# Altium PCB PICO_Probe_v_2_1.PcbDoc
Units mm, origin at the board's own origin, x right, y up, seen from the top; angles counter-clockwise.
Board outline 62.1 x 54.1 mm, 2 copper layers (Top Layer, Bottom Layer); 35 components, 35 nets, 182 pads, 0 vias.
Unrouted connection lines stored in the file: 2.
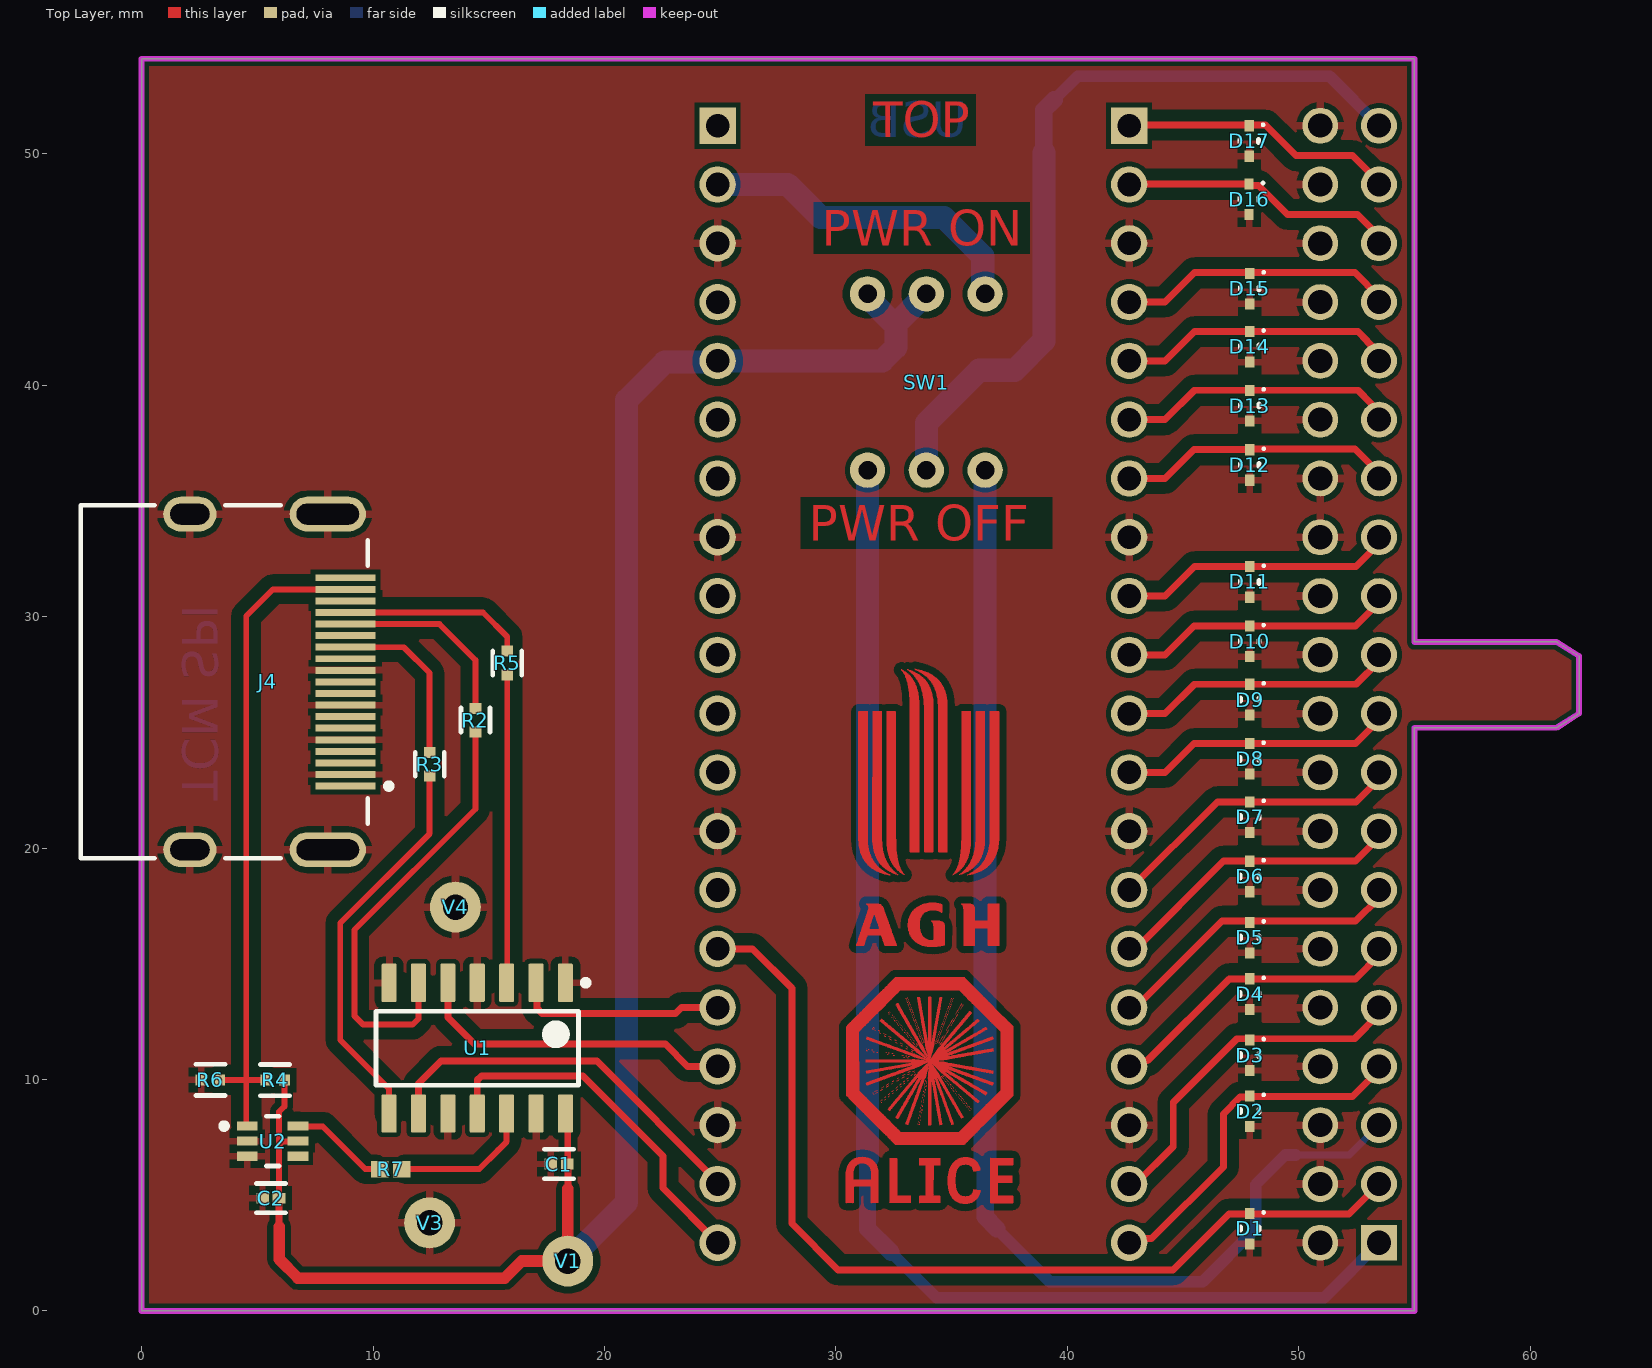
[diagram p0: Top Layer view]
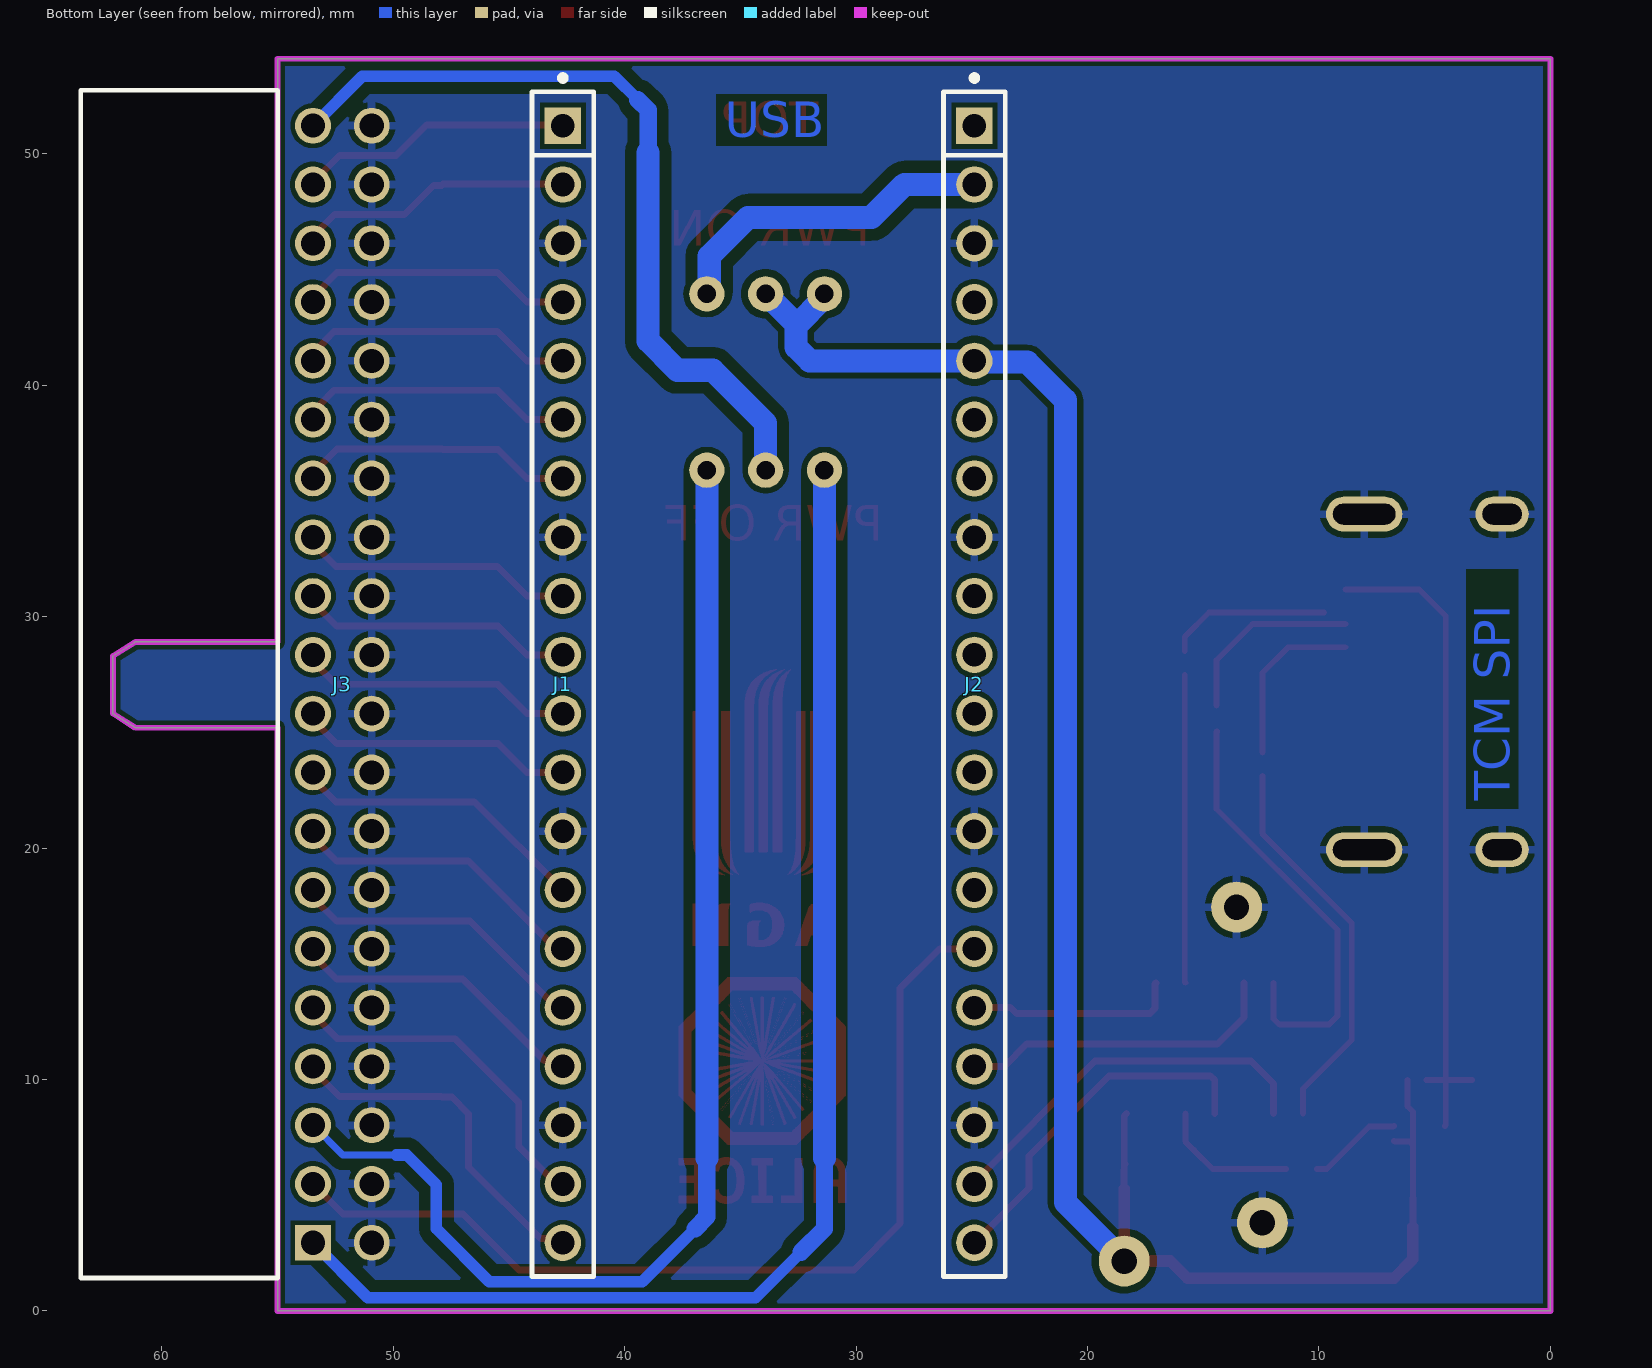
[diagram p1: Bottom Layer view, seen from below]
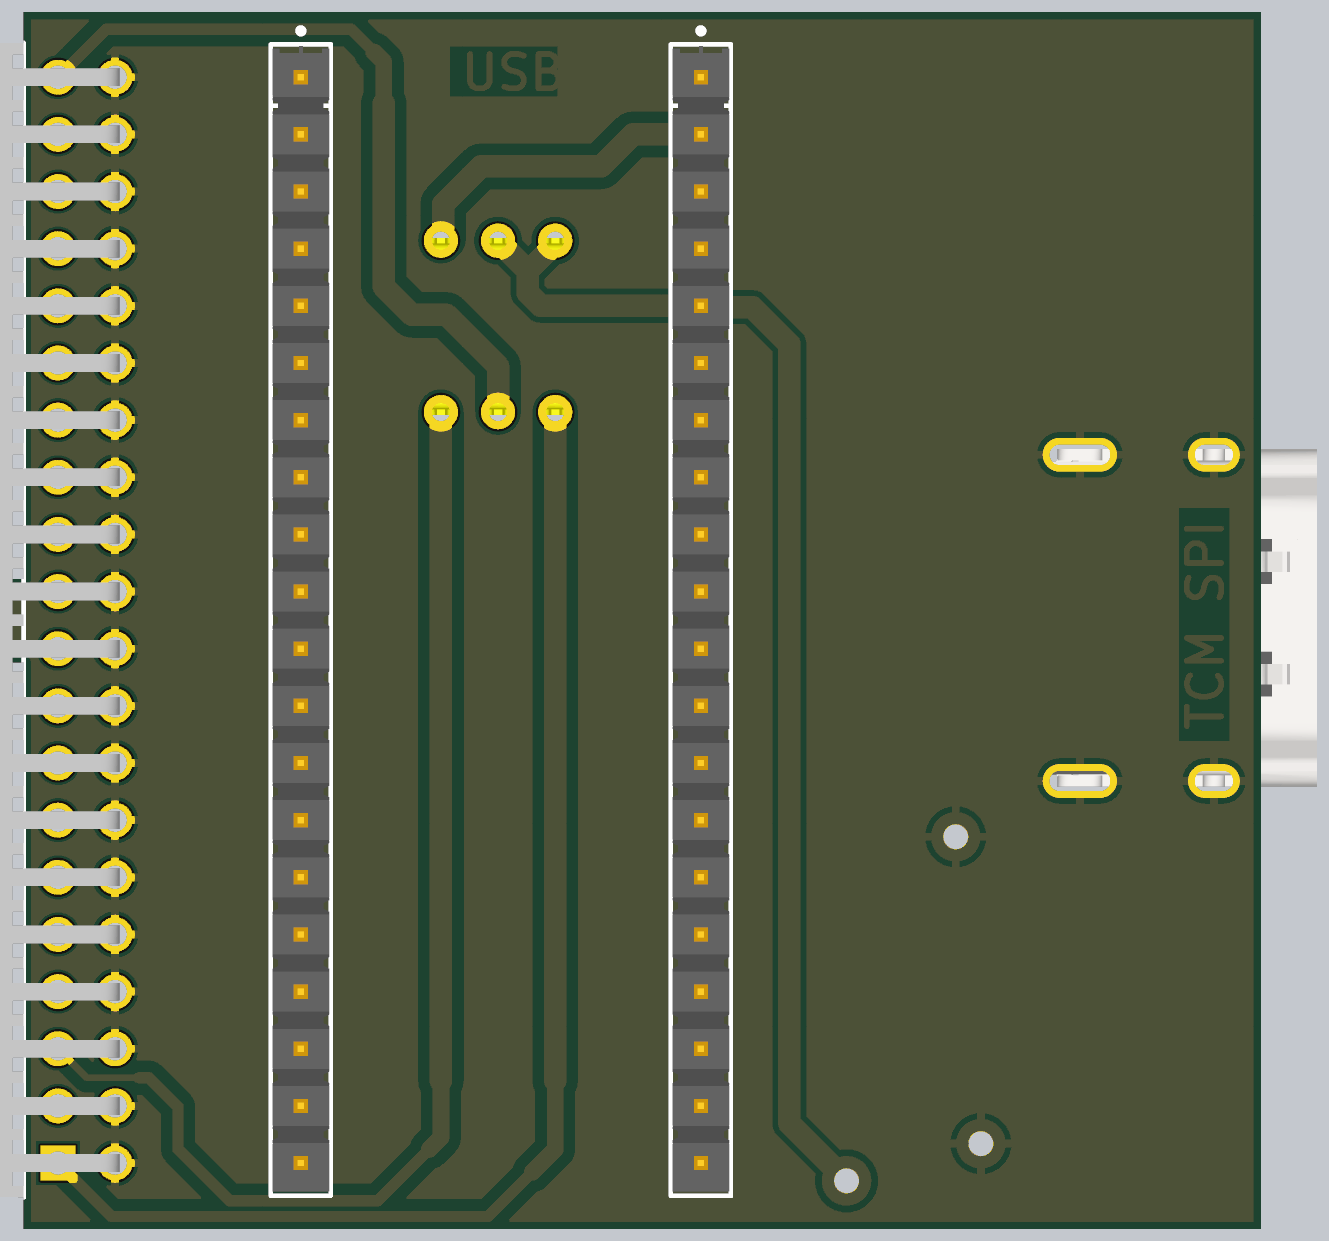
[diagram p2: 3D render of the assembled board from below, using the file's embedded part models]

## Layer stack, top to bottom
Top Solder: solder mask 0.0102, Solder Resist, Dk 3.5
Top Layer: signal copper 0.0356
Dielectric 1: dielectric 0.32, FR-4, Dk 4.8
Bottom Layer: signal copper 0.0356
Bottom Solder: solder mask 0.0102, Solder Resist, Dk 3.5

## Board outline
0,0 0,54.102 54.991,54.102 54.991,28.905 61.138,28.905 62.103,28.296 62.103,25.806 61.138,25.197 54.991,25.197 54.991,0

## Design rules (kind name [scope] priority, off if disabled: settings)
Clearance Keep_Out_Clearance [OnLayer('Keep-Out Layer')] p1: gap=0.2 ignorepadtopadclearanceinfootprint=FALSE
Clearance VCC_VIA_Clearance [InNet('3v3')] p2: gap=0.1 ignorepadtopadclearanceinfootprint=FALSE except(0.254: Arc-Fill Arc-Poly Arc-Region Track-Fill Track-Poly Track-Region; 0.3: SMDPad-Fill SMDPad-Poly SMDPad-Region THPad-Fill THPad-Poly THPad-Region Fill-Fill Fill-Poly Fill-Region Poly-Poly Poly-Region Region-Region; 0.35: Via-Fill Via-Poly Via-Region)
Clearance GND_VIA_Clearance [InNet('GND')] p3: gap=0.1 ignorepadtopadclearanceinfootprint=FALSE except(0.2: SMDPad-Fill SMDPad-Poly SMDPad-Region THPad-Fill THPad-Poly THPad-Region; 0.3: Fill-Fill Fill-Poly Fill-Region Poly-Poly Poly-Region Region-Region; 0.508: Arc-Fill Arc-Poly Arc-Region Track-Fill Track-Poly Track-Region)
Clearance [All] p4: gap=0.1 ignorepadtopadclearanceinfootprint=FALSE except(0.254: Arc-Fill Arc-Poly Arc-Region Track-Fill Track-Poly Track-Region SMDPad-Fill SMDPad-Poly SMDPad-Region THPad-Fill THPad-Poly THPad-Region Via-Fill Via-Poly Via-Region Fill-Fill Fill-Poly Fill-Region Poly-Poly Poly-Region Region-Region)
ComponentClearance [All] p1 off: gap=0.254 collisioncheckmode=3 verticalgap=0.254 showdistances=FALSE
MinimumSolderMaskSliver [All] p1: minsoldermaskwidth=0.1
PlaneConnect VCC_PLANE [InNet('3v3')] p1: pad.planeconnectstyle=Relief pad.reliefexpansion=0.508 pad.reliefentries=4 pad.reliefconductorwidth=0.3 pad.reliefairgap=0.254 via.planeconnectstyle=Relief via.reliefexpansion=0.508 via.reliefentries=4 via.reliefconductorwidth=0.254 via.reliefairgap=0.254
PlaneConnect GND_PLANE [InNet('GND')] p2: planeconnectstyle=Relief reliefexpansion=0.508 reliefentries=4 reliefconductorwidth=0.3 reliefairgap=0.254
PlaneConnect [All] p3: planeconnectstyle=Relief reliefexpansion=0.508 reliefentries=4 reliefconductorwidth=0.3 reliefairgap=0.254
PolygonConnect VCC_Polygon_Style [InNet('3v3')] p1: connectstyle=Relief reliefconductorwidth=0.35 reliefentries=4 polygonreliefangle="90 Angle" airgapwidth=0.254
PolygonConnect GND_Polygon_Style [InNet('GND')] p2: thpad.connectstyle=Relief thpad.reliefconductorwidth=0.35 thpad.reliefentries=4 thpad.polygonreliefangle="90 Angle" thpad.airgapwidth=0.254 smdpad.connectstyle=Relief smdpad.reliefconductorwidth=0.3 smdpad.reliefentries=4 smdpad.polygonreliefangle="90 Angle" smdpad.airgapwidth=0.3 via.connectstyle=Relief via.reliefconductorwidth=0.35 via.reliefentries=4 via.polygonreliefangle="90 Angle" via.airgapwidth=0.254
PolygonConnect [All] p3: connectstyle=Relief reliefconductorwidth=0.254 reliefentries=4 polygonreliefangle="90 Angle" airgapwidth=0.254
RoutingVias [All] p1: holewidth=0.711 width=1.27 viastyle="Through Hole" minholewidth=0.711 minwidth=1.27 maxholewidth=0.711 maxwidth=1.27
SolderMaskExpansion [All] p1: expansion=0.102 istentingtop=FALSE
SupplyNets "Schematic Supply Nets_3" [InNet('V_SYS')] p1: voltage=0.000
SupplyNets "Schematic Supply Nets_2" [InNet('3v3')] p2: voltage=0.000
SupplyNets "Schematic Supply Nets_1" [InNet('GND')] p3: voltage=0.000
Width [All] p1: maxlimit=1 minlimit=0.1 preferedwidth=0.254
27 further rules are at their usual default settings.

## Components (designator, comment, footprint, x,y, rotation, side; value= is the part's Value field where it differs from the comment)
C1 "GRM033Z71C104KE14J" FP-GRM033-0_03-IPC_A 18.034,6.35 r180 top value=100nF
C2 "GRM033Z71C104KE14J" FP-GRM033-0_03-IPC_A 5.588,4.877 r180 top value=100nF
D1 "MM5Z3V6T1G" ONSC-SOD-523-2-502-01_V 47.879,3.556 r270 top
D2 "MM5Z3V6T1G" ONSC-SOD-523-2-502-01_V 47.879,8.636 r270 top
D3 "MM5Z3V6T1G" ONSC-SOD-523-2-502-01_V 47.879,11.049 r270 top
D4 "MM5Z3V6T1G" ONSC-SOD-523-2-502-01_V 47.875,13.692 r270 top
D5 "MM5Z3V6T1G" ONSC-SOD-523-2-502-01_V 47.879,16.129 r270 top
D6 "MM5Z3V6T1G" ONSC-SOD-523-2-502-01_V 47.875,18.772 r270 top
D7 "MM5Z3V6T1G" ONSC-SOD-523-2-502-01_V 47.879,21.336 r270 top
D8 "MM5Z3V6T1G" ONSC-SOD-523-2-502-01_V 47.875,23.853 r270 top
D9 "MM5Z3V6T1G" ONSC-SOD-523-2-502-01_V 47.879,26.416 r270 top
D10 "MM5Z3V6T1G" ONSC-SOD-523-2-502-01_V 47.875,28.933 r270 top
D11 "MM5Z3V6T1G" ONSC-SOD-523-2-502-01_V 47.879,31.496 r270 top
D12 "MM5Z3V6T1G" ONSC-SOD-523-2-502-01_V 47.879,36.55 r270 top
D13 "MM5Z3V6T1G" ONSC-SOD-523-2-502-01_V 47.879,39.116 r270 top
D14 "MM5Z3V6T1G" ONSC-SOD-523-2-502-01_V 47.875,41.658 r270 top
D15 "MM5Z3V6T1G" ONSC-SOD-523-2-502-01_V 47.879,44.17 r270 top
D16 "MM5Z3V6T1G" ONSC-SOD-523-2-502-01_V 47.85,48.033 r270 top
D17 "MM5Z3V6T1G" ONSC-SOD-523-2-502-01_V 47.854,50.546 r270 top
J1 "TSW-120-05-G-S" FP-TSW-120-05-G-S-MFG 42.668,27.078 r270 bottom
J2 "TSW-120-05-G-S" FP-TSW-120-05-G-S-MFG 24.888,27.078 r270 bottom
J3 "SSW-120-02-G-D-RA" SMTC-SSW-120-02-X-D-RA 53.463,2.948 r90 bottom
J4 "208658-1051" FP-208658-1051-MFG 3.572,27.178 r270 top
R2 "ERJ-2RKF30R0X" FP-ERJ2RK-MFG 14.427,25.527 r90 top
R3 "ERJ-2RKF30R0X" FP-ERJ2RK-MFG 12.446,23.622 r90 top
R4 "CRCW0402200RFKED" FP-CRCW0402-e3-IPC_C 5.768,9.975 r0 top
R5 "ERJ-2RKF30R0X" FP-ERJ2RK-MFG 15.799,27.991 r90 top
R6 "CRCW0402200RFKED" FP-CRCW0402-e3-IPC_C 2.976,9.982 r0 top
R7 "CR0402-FX-22R0GLF" RESC1005X40X25ML10T10 10.77,6.121 r0 top value=22R
SW1 "DIP_SWITCH_3x1" DIP_SWITCH_3x1 33.905,40.134 r270 top
U1 "SN74LVT125D" D0014A_M 14.503,11.354 r270 top
U2 "SN74LVC2G14IDCKRQ1" FP-DCK0006A-MFG 5.664,7.341 r0 top
V1 "Copper_Via_09" Copper_Via_09 18.415,2.159 r0 top
V3 "Copper_Via_09" Copper_Via_09 12.446,3.81 r0 top
V4 "Copper_Via_09" Copper_Via_09 13.564,17.45 r0 top

## Footprints (in the part's own frame and the unit in brackets; to place one, negate y for a bottom-side part, rotate by r counter-clockwise, add the part's x,y. Pads: shape width x height; smd on the part's side, far side on the other; paste and mask are expansions set on the pad)
Copper_Via_09 [mm] "Copper Via, 0.9mm hole"
  round 2.2 / inner round 1.524 / far side round 2.2 hole 1.1 mask+0.102: 1(0,0)
D0014A_M [mm] "SOIC, 14-Leads, Body 8.75x4mm, Pitch 1.27mm, IPC Low Density"
  rrect15% 1.65x0.65 smd: 1(-2.825,3.81) 2(-2.825,2.54) 3(-2.825,1.27) 4(-2.825,0) 5(-2.825,-1.27) 6(-2.825,-2.54) 7(-2.825,-3.81) 8(2.825,-3.81) 9(2.825,-2.54) 10(2.825,-1.27) 11(2.825,0) 12(2.825,1.27) 13(2.825,2.54) 14(2.825,3.81)
  silkscreen extent -2.95,-4.38 1.6,4.81, body extent -3.02,-4.32 3.02,4.32, height 1.59
DIP_SWITCH_3x1 [mil]
  round 60 hole 31.5: 1(-150,100) 2(-150,0) 3(-150,-100) 4(150,-100) 5(150,0) 6(150,100)
  body extent -155,-170 155,169, height 163
FP-208658-1051-MFG [mm]
  rect 0.3x2.6 smd paste+0 mask+0: 1(4.5,5.235) 2(4,5.235) 3(3.5,5.235) 4(3,5.235) 5(2.5,5.235) 6(2,5.235) 7(1.5,5.235) 8(1,5.235) 9(0.5,5.235) 10(0,5.235) 11(-0.5,5.235) 12(-1,5.235) 13(-1.5,5.235) 14(-2,5.235) 15(-2.5,5.235) 16(-3,5.235) 17(-3.5,5.235) 18(-4,5.235) 19(-4.5,5.235)
  rrect100% 1.5x3.3 hole 2.7 slot 0.9 at 0 deg paste-2539.97 mask+0: 20(-7.25,4.475) 21(7.25,4.475)
  rrect100% 1.5x2.3 hole 1.7 slot 0.9 at 0 deg paste-2539.97 mask+0: 22(-7.25,-1.485) 23(7.25,-1.485)
  silkscreen extent -7.63,-6.2 7.63,7.24, body extent -8.1,-6.3 8.1,6.64, height 0.25
FP-CRCW0402-e3-IPC_C [mm]
  rect 0.468x0.472 smd paste+0 mask+0: 1(-0.402,0) 2(0.402,0)
  silkscreen extent -0.64,-0.67 0.64,0.67, body extent -0.74,-0.38 0.74,0.38, height 0.25
FP-DCK0006A-MFG [mm]
  rect 0.9x0.4 smd paste-1000 mask+0: 1(-1.1,0.65) 2(-1.1,0) 3(-1.1,-0.65) 4(1.1,-0.65) 5(1.1,0) 6(1.1,0.65)
  silkscreen extent -2.22,-1.07 0.27,1.07, body extent -1.65,-1.33 1.65,1.33, height 0.25
FP-ERJ2RK-MFG [mm]
  rect 0.475x0.5 smd paste+0 mask+0: 1(-0.513,0) 2(0.513,0)
  silkscreen extent -0.53,-0.63 0.53,0.63, body extent -0.85,-0.38 0.85,0.38, height 0.25
FP-GRM033-0_03-IPC_A [mm]
  rect 0.554x0.463 smd paste+0 mask+0: 1(-0.354,0) 2(0.354,0)
  silkscreen extent -0.63,-0.63 0.63,0.63, body extent -0.83,-0.43 0.83,0.43, height 0.25
FP-TSW-120-05-G-S-MFG [mm]
  rect 1.57x1.57 hole 1.02 paste-2539.97 mask+0: 1(-24.13,0)
  round 1.57 hole 1.02 paste-2539.97 mask+0: 2(-21.59,0) 3(-19.05,0) 4(-16.51,0) 5(-13.97,0) 6(-11.43,0) 7(-8.89,0) 8(-6.35,0) 9(-3.81,0) 10(-1.27,0) 11(1.27,0) 12(3.81,0) 13(6.35,0) 14(8.89,0) 15(11.43,0) 16(13.97,0) 17(16.51,0) 18(19.05,0) 19(21.59,0) 20(24.13,0)
  silkscreen extent -26.31,-1.34 25.59,1.34, body extent -25.53,-1.27 25.4,1.27, height 5.54
ONSC-SOD-523-2-502-01_V [mm] "SOD, 2-Leads, Body 1.2x0.8mm"
  rect 0.48x0.4 smd: 1(-0.66,0) 2(0.66,0)
  silkscreen extent -0.75,-0.4 0.07,0.65, body extent -0.6,-0.4 0.6,0.4, height 0.7
RESC1005X40X25ML10T10 [mm] "Chip Resistor, 2-Leads, Body 1.00x0.50mm, IPC Low Density"
  rect 0.75x0.7 smd: 1(-0.475,0) 2(0.475,0)
  body extent -0.55,-0.3 0.55,0.3, height 0.4
SMTC-SSW-120-02-X-D-RA [mm] "SQ Post Socket, 2x20 Pins, Right Angle, 2.54mm Pitch, Female"
  rect 1.55x1.55 hole 1.04: 1(0,0)
  round 1.55 hole 1.04: 2(0,-2.54) 3(2.54,0) 4(2.54,-2.54) 5(5.08,0) 6(5.08,-2.54) 7(7.62,0) 8(7.62,-2.54) 9(10.16,0) 10(10.16,-2.54) 11(12.7,0) 12(12.7,-2.54) 13(15.24,0) 14(15.24,-2.54) 15(17.78,0) 16(17.78,-2.54) 17(20.32,0) 18(20.32,-2.54) 19(22.86,0) 20(22.86,-2.54) 21(25.4,0) 22(25.4,-2.54) 23(27.94,0) 24(27.94,-2.54) 25(30.48,0) 26(30.48,-2.54) 27(33.02,0) 28(33.02,-2.54) 29(35.56,0) 30(35.56,-2.54) 31(38.1,0) 32(38.1,-2.54) 33(40.64,0) 34(40.64,-2.54) 35(43.18,0) 36(43.18,-2.54) 37(45.72,0) 38(45.72,-2.54) 39(48.26,0) 40(48.26,-2.54)
  silkscreen extent -1.53,1.52 49.79,10.03, body extent -1.52,-2.74 49.78,10.03, height 4.95

## Part data
C1 C2: library part CMP-06035-043202-1, "Chip Multilayer Ceramic Capacitors for General Purpose, 0201, 0.10uF, X7R, 15%, 10%, 16V"
D1 D2 D3 D4 D5 D6 D7 D8 D9 D10 D11 D12 D13 D14 D15 D16 D17: library part CMP-1060-00749-1, "Zener Voltage Regulator, 500 mW, 2-Pin SOD-523, Pb-Free, Tape and Reel", Manufacturer="On Semiconductor", ComponentLink1Description="Manufacturer URL", ComponentLink1URL=http://www.onsemi.com/, ComponentLink2Description=Datasheet, ComponentLink2URL=http://www.onsemi.cn/pub_link/Collateral/MM5Z2V4T1-D.PDF, ComponentLink3Description="Package Specification", ComponentLink3URL=http://www.onsemi.com/pub_link/Collateral/502-01.PDF, DatasheetVersion="Rev. 10", Mounting Technology="Surface Mount", P Max (W)=0.5, PackageDescription="2-Pin SOD, Body 1.2 x 0.8 mm", PackageReference=SOD-523-2-502-01, PackageVersion="Rev. E, 09/2010", Packing="Tape and Reel", PartNumber=MM5Z3V6T1G, RoHS=Pb-Free, VZ Typ (V)=3.6
J1 J2: library part CMP-00575-00271415-1, "TSW-120-05-G-S Headers & Wire Housings Classic PCB Header Strips, 0.100 pitch", Color=Black, Manufacturer Lifecycle Status=PRODUCTION, Connector Type="Male Pin", Contact Material=Bronze, Contact Mating Length=2.667mm, Contact Plating=Gold, Gender=Male, Height=2.54mm, Housing Color=Black, Housing Material=Plastic, Lead Free="Lead Free", Lead Pitch=2.54mm, Length=50.8mm, Lifecycle Status=Production, Mount="Through Hole", NexarPartId=271415, Number of Contacts=20, Number of Positions=20, Number of Rows=1, Pitch=2.54mm, REACH SVHC="No SVHC", RoHS=Compliant, Termination=Solder, Width=2.54mm
J3: library part CMP-1023-00460-1, "SQ Post Socket, Through-hole, Right Angle, -55 to 125 degC, 2.54 mm Pitch, 40-Pin, Female, RoHS", Manufacturer=Samtec, Temperature Range="-55 to 125 degC", ComponentLink1Description="Manufacturer URL", ComponentLink1URL=http://www.samtec.com, ComponentLink2Description=Datasheet, ComponentLink2URL=http://www.samtec.com/documents/webfiles/pdf/SSW_TH.PDF, ComponentLink3Description="Package Specification", ComponentLink3URL=http://www.samtec.com/documents/webfiles/cpdf/SSW-1XX-XX-XXX-X-XX-XXX-XX-MKT.pdf, DatasheetVersion=F-214, Mounting Technology=Through-hole, Orientation="Right Angle", PackageDescription="Assembly, Socket Strip .016 X .031 Tail", PackageReference=SSW-120-02-X-D-RA, PackageVersion="CA, 6/1987", PartNumber=SSW-120-02-G-D-RA, Pitch="2.54 mm", RoHS=True
J4: library part CMP-04768-000005-1, "CONN RCPT HDMI V2.1 19POS SMD RA"
R2 R3 R5: library part CMP-2002-00857-2, Case Code (Imperial)=0402, Case Code (Metric)=1005, Max Operating Temperature=155°C, Max Power Dissipation=100mW, Min Operating Temperature=-55°C, Resistance=30Ω, Temperature Coefficient=100ppm/°C, Tolerance=1%, Voltage Rating=50V, Case/Package=0402, Composition="Thick Film", Contact Plating=Tin, Depth=500µm, Features="Automotive AEC-Q200", Height=350µm, Lead Free="Lead Free", Length=1mm, Lifecycle Status=Production, Military Standard=Not, Mount="Surface Mount", NexarPartId=42824405, Number of Terminations=2, Packaging="Cut Tape", Power Rating=100mW, REACH SVHC=Yes, RoHS=Compliant, Schedule B="8533210045, 8533210045", Termination=SMD/SMT, Voltage Rating (DC)=50V, Width=508µm
R4 R6: library part CMP-1011-00429-3, "RES Thick Film, 200Ω, 1%, 0.063W, 100ppm/°C, 0402", Case Code (Imperial)=0402, Case Code (Metric)=1005, Max Operating Temperature=155°C, Max Power Dissipation=63mW, Min Operating Temperature=-55°C, Package Quantity=10, Resistance=200R, Temperature Coefficient=100ppm/°C, Tolerance=1%, Voltage Rating=50V, Case/Package=0402, Composition="Thick Film", Contact Plating=Tin, Depth=0.5mm, Features="Automotive AEC-Q200", Height=0.35mm, Lead Free="Lead Free", Length=1mm, Military Standard=Not, Mount="Surface Mount", Number of Pins=2, Number of Terminations=2, Packaging="Tape and Reel", Power Rating=63mW, Radiation Hardening=No, Termination=SMD/SMT, Voltage Rating (DC)=50V, Weight=2.3E-05oz, Width=0.5mm
R7: library part CMP-2002-04945-1, Manufacturer=Bourns, Part Number=CR0402-FX-22R0GLF
U1: library part CMP-0440-00024-3, "3.3-V ABT Quadruple Bus Buffers With 3-State Outputs, D0014A, TUBE", F @ Nom Voltage(Max)(Mhz)=100, Generic Part Number=SN74LVT125, ICC @ Nom Voltage(Max)(mA)=0.007, Manufacturer="Texas Instruments", Operating Temperature Range(C)="-40 to 85", Rating=Catalog, tpd @ Nom Voltage(Max)(ns)=4, Voltage(Nom)(V)=3.3, Bits(#)=4, Code_JEDEC=MS-012, DatasheetVersion=SCBS133F, Input Type=TTL/CMOS, Output Type=LVTTL, PackageReference=D0014A, PackageVersion=http://www.ti.com/lit/ml/mpds177g/mpds177g.pdf, VCC(Max)(V)=3.6, VCC(Min)(V)=2.7
U2: library part CMP-0859-00447-5, "IC INVERT SCHMITT 2CH 2IN SC70-6", Case/Package=SC, High Level Output Current=-32mA, Low Level Output Current=32mA, Max Operating Temperature=85°C, Max Supply Voltage=5.5V, Min Operating Temperature=-40°C, Min Supply Voltage=1.65V, Package Quantity=3000, Quiescent Current=10uA, Contact Plating=Gold, Height=0.9mm, Input Type="SCHMITT TRIGGER", Lead Free="Lead Free", Length=2mm, Logic Function=Buffer, Max Output Current=32mA, Mount="Surface Mount", Number of Bits=2, Number of Circuits=2, Number of Elements=2, Number of Gates=2, Number of Inputs=1, Number of Pins=6, Output Current=32mA, Packaging="Tape and Reel", Propagation Delay=9.5ns, Radiation Hardening=No, REACH SVHC="No SVHC", RoHS Compliant=Yes, Schmitt Trigger Input=Yes, Series=74LVC, Technology=CMOS, Termination=SMD/SMT, Turn-On Delay Time=4.3ns, Width=1.25mm
V1 V3 V4: "Copper Via 0.9mm hole"

## Nets (pads, with @x,y where several pads share a name; then routed paths per layer and width w, separated by ;. In a path a pad name is that pad's centre, name@x,y a point inside that pad or via, vN(x,y) a via of type N, cw(c..) or ccw(c..) an arc to the next point about the centre after c; other vN are vias at no path point)
3v3: C1.1 C2.1 J2.5 R4.2 SW1.2 SW1.3 U1.14 U2.5 V1.1 | length 83.8
  Top Layer w0.254: C2.1 5.942,7.166 ; R4.2 6.17,8.837 5.942,8.609 5.942,7.166 ; U2.5 6.739,7.315 6.091,7.315 5.942,7.166
  Top Layer w0.3: C2.1 5.944,4.876 5.944,3.632 ; U1.14 18.414,8.428 18.414,6.12 18.415,6.118 18.415,5.276 ; C1.1 C1.1@18.411,6.327
  Top Layer w0.5: 5.944,3.632 5.944,2.235 6.756,1.422 15.694,1.422 16.431,2.159 V1.1 18.415,5.276
  Top Layer w1: J2.5@24.833,40.993 J2.5
  Bottom Layer w1: V1.1 20.955,4.699 20.955,39.345 22.603,40.993 J2.5@24.833,40.993 ; J2.5 32.007,41.048 32.593,41.634 32.593,42.574 ; SW1.3 31.365,43.802 32.593,42.574 ; SW1.2 32.593,42.631 32.593,42.574
GND: C1.2 C2.2 D1.2 D2.2 D3.2 D4.2 D5.2 D6.2 D7.2 D8.2 D9.2 D10.2 D11.2 D12.2 D13.2 D14.2 D15.2 D16.2 D17.2 J1.3 J1.8 J1.13 J1.18 J2.3 J2.8 J2.13 J2.18 J3.2 J3.4 J3.6 J3.8 J3.10 J3.12 J3.14 J3.16 J3.18 J3.20 J3.22 J3.24 J3.26 J3.28 J3.30 J3.32 J3.34 J3.36 J3.38 J3.40 J4.2 J4.5 J4.8 J4.11 J4.17 J4.20 J4.21 J4.22 J4.23 R6.1 U1.1 U1.4 U1.7 U1.10 U1.13 U2.2 U2.3 V3.1 V4.1
GP_0: D17.1 J1.1 J3.37 | length 11.9
  Top Layer w0.3: J1.1 42.693,51.233 46.224,51.233 47.854,51.233 48.561,51.233 49.881,49.913 52.32,49.913 53.463,48.77 J3.37
GP_1: D16.1 J1.2 J3.35 | length 12.1
  Top Layer w0.3: J1.2 42.681,48.68 47.837,48.68 D16.1 47.85,48.671 47.9,48.621 48.254,48.621 49.503,47.373 52.539,47.373 53.463,46.449 J3.35
GP_2: D15.1 J1.4 J3.33 | length 12
  Top Layer w0.3: J1.4 44.223,43.588 45.493,44.858 46.224,44.858 47.854,44.858 52.422,44.858 53.463,43.817 J3.33
GP_3: D14.1 J1.5 J3.31 | length 12.1
  Top Layer w0.3: J1.5 44.218,41.048 45.488,42.318 D14.1 52.549,42.318 52.955,41.912 52.955,41.894 53.463,41.386 J3.31
GP_4: D13.1 J1.6 J3.29 | length 12.1
  Top Layer w0.3: J1.6 44.223,38.508 45.493,39.778 46.224,39.778 47.879,39.778 48.006,39.778 52.549,39.778 52.828,39.499 52.828,39.481 53.463,38.846 J3.29
GP_5: D12.1 J1.7 J3.27 | length 12
  Top Layer w0.3: J1.7 44.218,35.968 45.462,37.213 47.85,37.213 47.875,37.238 52.422,37.238 53.463,36.197 J3.27
GP_6: D11.1 J1.9 J3.25 | length 12
  Top Layer w0.3: J1.9 44.223,30.888 45.493,32.158 46.224,32.158 47.879,32.158 52.473,32.158 53.463,33.149 J3.25
GP_7: D10.1 J1.10 J3.23 | length 12
  Top Layer w0.3: J1.10 44.218,28.348 45.462,29.593 D10.1 52.447,29.593 53.463,30.609 J3.23
GP_8: D9.1 J1.11 J3.21 | length 12
  Top Layer w0.3: J1.11 44.223,25.808 45.493,27.078 46.224,27.078 47.879,27.078 52.473,27.078 53.463,28.069 J3.21
GP_9: D8.1 J1.12 J3.19 | length 12
  Top Layer w0.3: J1.12 44.218,23.268 45.462,24.513 D8.1 52.447,24.513 53.463,25.529 J3.19
GP_10: D7.1 J1.14 J3.17 | length 13.1
  Top Layer w0.3: J1.14 46.478,21.998 47.879,21.998 52.472,21.998 53.463,22.989 J3.17
GP_11: D6.1 J1.15 J3.15 | length 13.1
  Top Layer w0.3: J1.15 42.953,15.648 46.738,19.433 D6.1 ; D6.1 52.446,19.432 53.463,20.449 J3.15
GP_12: D5.1 J1.16 J3.13 | length 13.1
  Top Layer w0.3: J1.16 42.948,13.108 46.681,16.841 47.879,16.841 52.455,16.841 53.463,17.85 J3.13
GP_13: D4.1 J1.17 J3.11 | length 13.1
  Top Layer w0.3: J1.17 42.911,10.811 43.45,10.811 46.991,14.352 D4.1 52.447,14.352 53.463,15.369 J3.11
GP_14: D3.1 J1.19 J3.9 | length 15.2
  Top Layer w0.3: J1.19 42.948,5.488 44.573,7.114 44.573,9.013 47.321,11.761 52.396,11.761 53.463,12.829 J3.9
GP_15: D2.1 J1.20 J3.7 | length 15.4
  Top Layer w0.3: J1.20 42.845,3.125 43.638,3.125 46.736,6.223 46.736,8.509 47.463,9.236 47.892,9.236 D2.1@47.929,9.273 ; D2.1@47.952,9.273 52.32,9.273 53.463,10.416 J3.7
GP_20: D1.1 J2.15 J3.3 | length 41.8
  Top Layer w0.3: J2.15 26.387,15.648 28.092,13.942 28.092,3.782 30.097,1.778 44.563,1.778 46.977,4.193 47.879,4.193 52.168,4.193 J3.3
NetR2_1: R2.1 U1.6 | length 19.1
  Top Layer w0.254: U1.6 11.963,12.624 11.709,12.37 9.576,12.37 9.195,12.751 9.195,16.459 14.427,21.692 R2.1@14.427,25.032 ; R2.1@14.402,25.019 R2.1@14.402,25.045
NetR3_1: R3.1 U1.8 | length 17.1
  Top Layer w0.254: U1.8 10.693,9.601 8.585,11.709 8.585,16.764 12.446,20.625 R3.1
NetR5_1: R5.1 U1.3 | length 13.3
  Top Layer w0.254: U1.3 15.799,14.204 R5.1
NetR7_1: R7.1 U2.6 | length 4.1
  Top Layer w0.254: U2.6 6.786,7.969 7.83,7.969 9.665,6.134 R7.1@10.084,6.134
NetR7_2: R7.2 U1.12 | length 6.1
  Top Layer w0.254: R7.2@11.416,6.134 14.592,6.134 15.407,6.948 15.773,7.315 U1.12
PICO_MISO: J2.20 U1.11 | length 15.7
  Top Layer w0.3: U1.11 14.503,9.984 14.679,10.16 19.075,10.16 22.53,6.706 22.53,5.306 J2.20
PICO_SPI_CLK: J2.17 U1.5 | length 14
  Top Layer w0.3: U1.5 13.233,12.675 14.376,11.532 22.631,11.532 23.595,10.568 J2.17
PICO_SPI_MOSI: J2.16 U1.2 | length 9.1
  Top Layer w0.3: U1.2 17.077,14.145 17.077,13.08 17.305,12.852 23.063,12.852 23.319,13.108 J2.16
PICO_SPI_SEL: J2.19 U1.9 | length 16.9
  Top Layer w0.3: U1.9 11.963,9.83 12.929,10.795 19.669,10.795 24.888,5.576 J2.19
PWR_3v3: J3.1 J3.39 SW1.4 SW1.5 | length 91.6
  Bottom Layer w0.5: 32.381,2.542 34.346,0.577 51.092,0.577 J3.1 ; 39.424,52.326 40.44,53.342 51.33,53.342 J3.39
  Bottom Layer w0.75: 31.365,6.606 31.365,3.558 32.381,2.542 ; 38.985,50.04 38.985,51.886 39.424,52.326
  Bottom Layer w1: 31.365,6.606 SW1.4 ; SW1.5 33.905,38.356 36.191,40.642 37.715,40.642 38.985,41.912 38.985,50.04
PWR_SYS: J3.5 SW1.6 | length 54.3
  Bottom Layer w0.3: 49.86,6.741 52.176,6.741 J3.5
  Bottom Layer w0.5: 36.953,3.558 39.241,1.27 45.842,1.27 48.129,3.558 48.129,5.457 49.413,6.741 49.86,6.741
  Bottom Layer w0.75: 36.445,6.606 36.445,4.066 36.953,3.558
  Bottom Layer w1: 36.445,6.606 SW1.6
SPI_CLK: J4.15 R2.2 | length 8.2
  Top Layer w0.254: J4.15@8.851,29.678 12.867,29.678 14.427,28.118 R2.2@14.427,26.162
SPI_MISO: J4.18 R4.1 R6.2 U2.1 | length 28.9
  Top Layer w0.254: R6.2 4.481,9.982 4.521,9.942 ; 4.521,9.975 R4.1 ; U2.1 4.521,8.034 4.521,9.942 ; J4.18@8.851,31.178 5.678,31.178 4.521,30.022 4.521,9.942
SPI_MOSI: J4.16 R5.2 | length 7.1
  Top Layer w0.254: J4.16@9.779,30.178 14.755,30.178 15.799,29.134 R5.2
SPI_SEL: J4.13 R3.2 | length 7.5
  Top Layer w0.254: J4.13@8.851,28.678 11.327,28.678 12.446,27.559 R3.2
V_SYS: J2.2 SW1.1 | length 14.4
  Bottom Layer w1: J2.2 27.911,48.668 29.333,47.246 34.667,47.246 36.345,45.568 36.345,44.044 SW1.1
pads on no net: J2.1 J2.4 J2.6 J2.7 J2.9 J2.10 J2.11 J2.12 J2.14 J4.1 J4.3 J4.4 J4.6 J4.7 J4.9 J4.10 J4.12 J4.14 J4.19 U2.4

## Polygon pours and split planes (outlines as drawn)
GND on Bottom Layer "GND_L02_P001" (solid, pour order 1): 0,54.102 0,0 54.991,0 54.991,25.197 61.138,25.197 62.103,25.806 62.103,28.296 61.138,28.905 54.991,28.905 54.991,54.102
GND on Top Layer "GND_L01_P000" (solid, pour order 0): 0,54.102 0,0 54.991,0 54.991,25.197 61.138,25.197 62.103,25.806 62.103,28.296 61.138,28.905 54.991,28.905 54.991,54.102

## Keep-outs
Keep-Out Layer:
  the board outline again, w0.254

## Other copper
Top Layer:
  drawing of 723 lines, arcs and shapes, not listed
  text "TOP" at 31.619,50.7 h1.52
  text "PWR ON" at 29.387,46.03 h1.52
  text "PWR OFF" at 28.825,33.276 h1.52
Bottom Layer:
  text "USB" at 35.683,50.7 h1.52
  text "TCM SPI" at 1.754,22.052 h1.52 r270